# Altium PCB 1-quilter-input.PcbDoc (part 1 of 4) (continued)
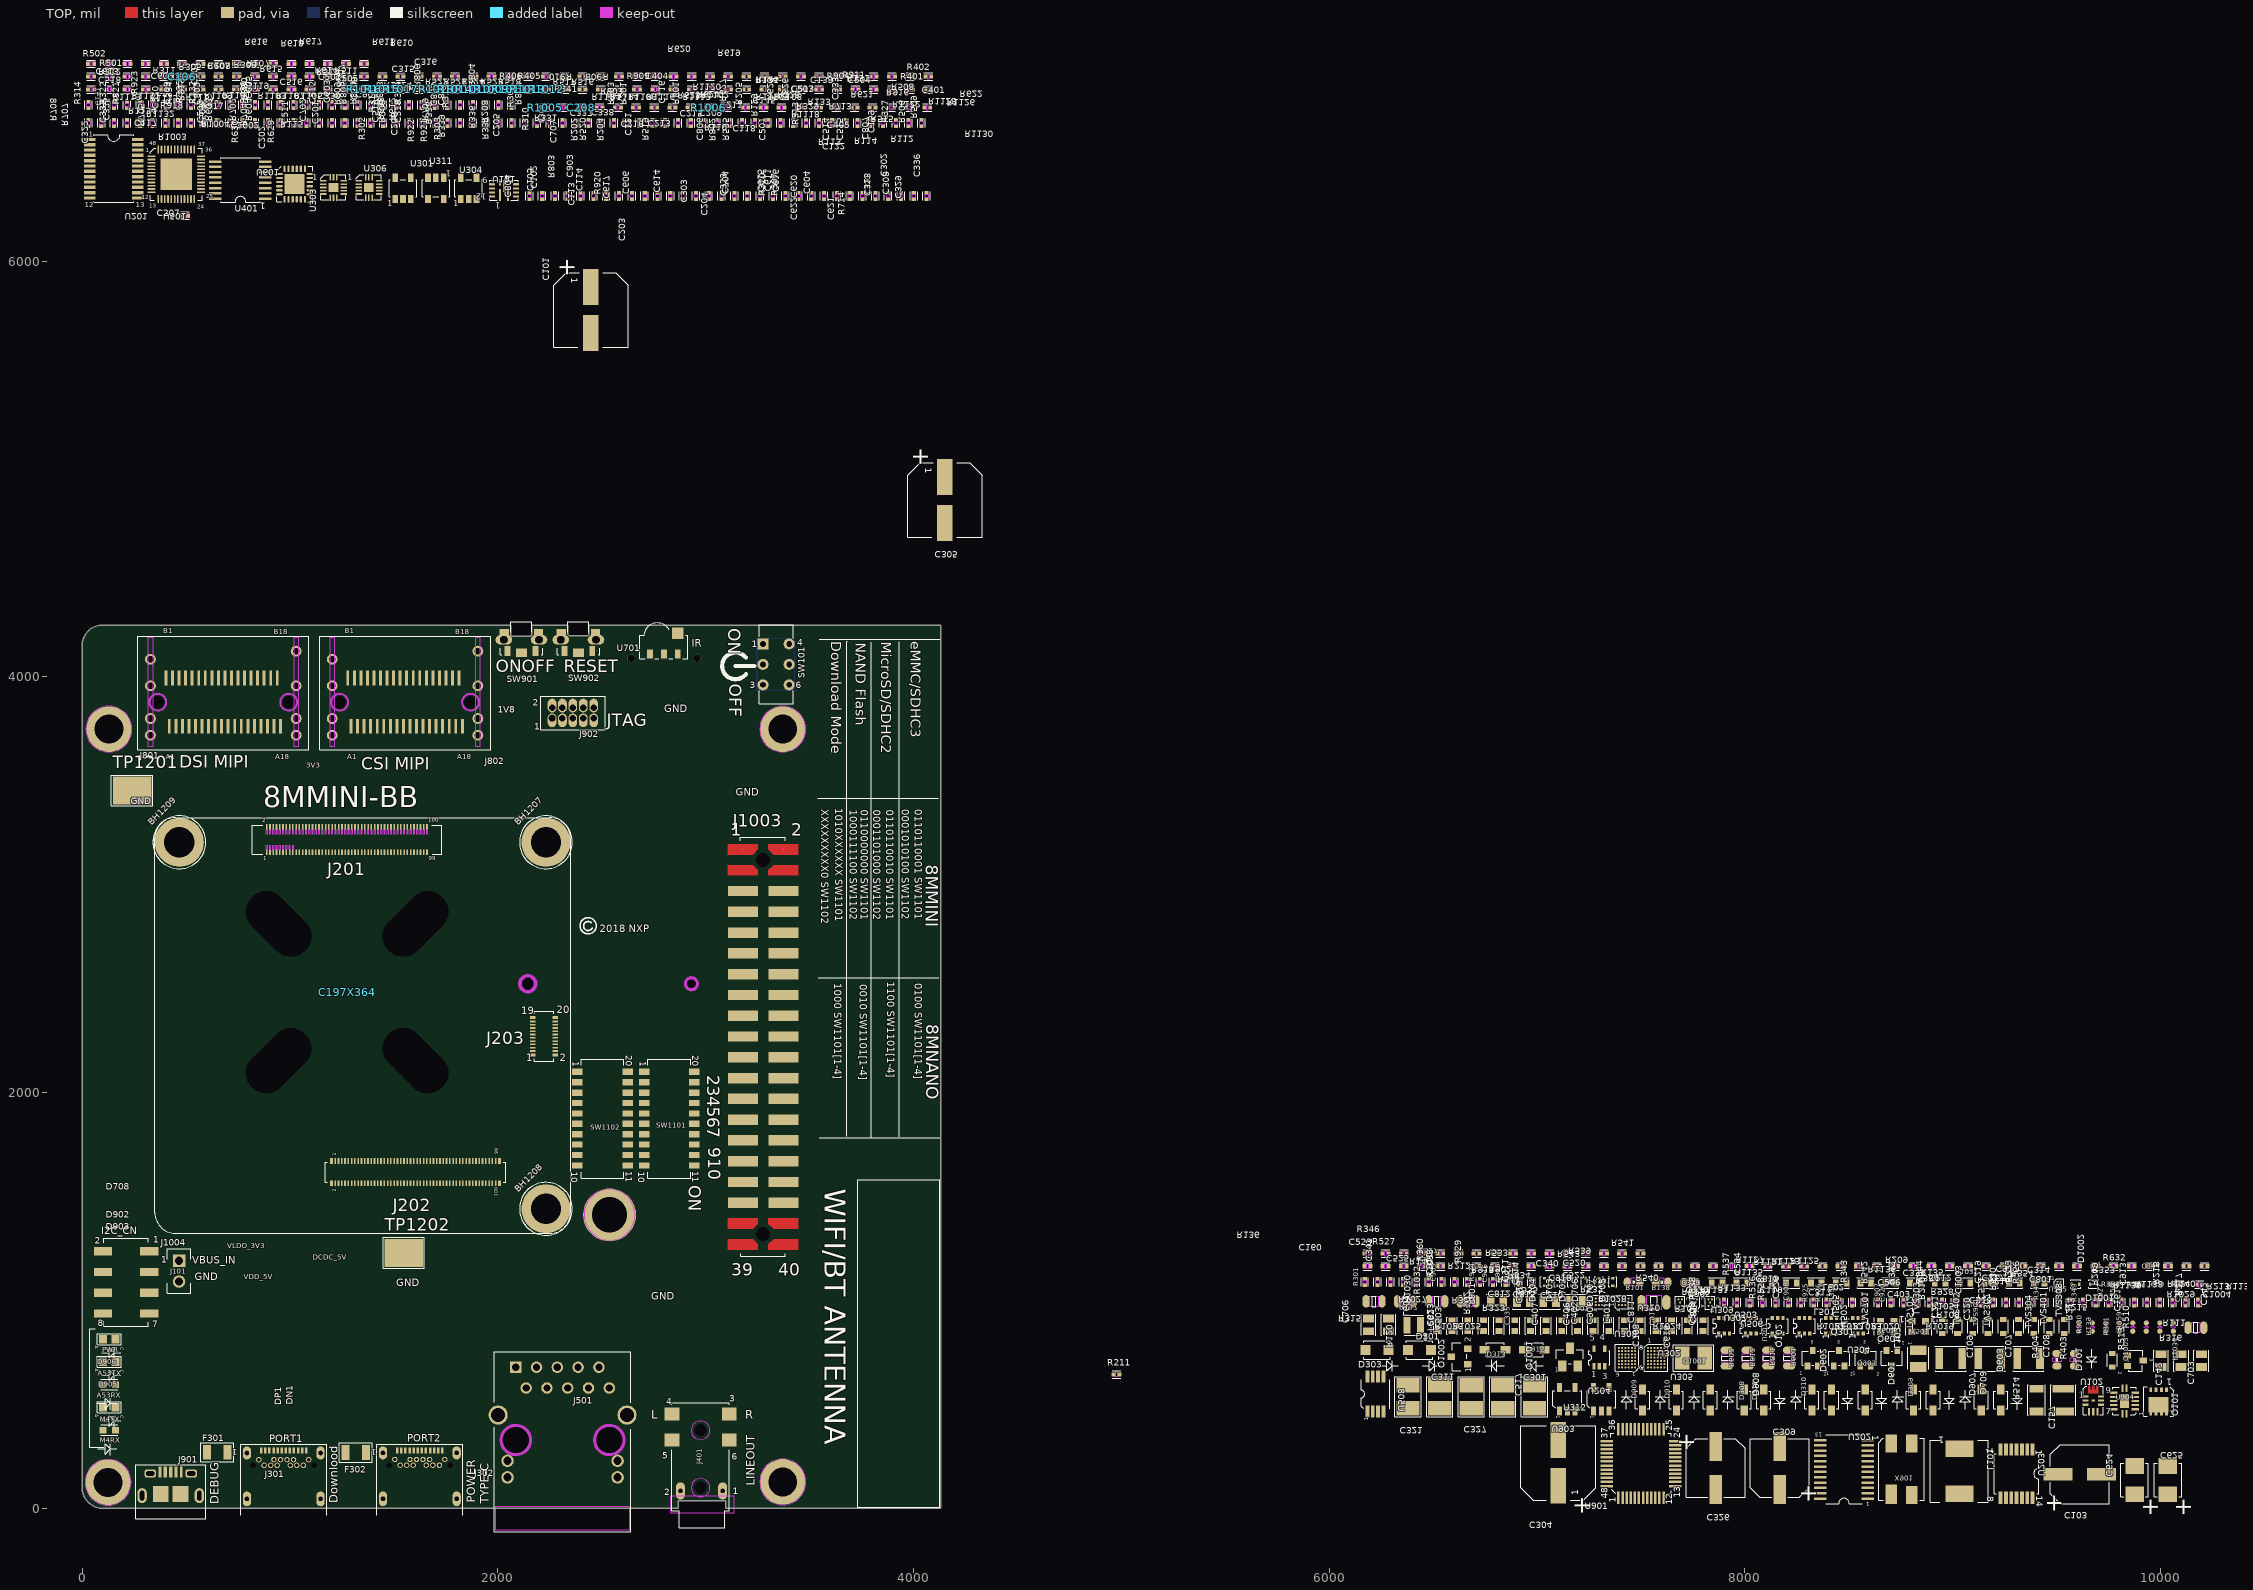
[diagram p0: TOP view]
## Components (designator, comment, footprint, x,y, rotation, side; value= is the part's Value field where it differs from the comment)
BH1201 ".635\" LONG" SPACER_139T 129,3747.79 r180 bottom locked
BH1202 ".635\" LONG" SPACER_139T 3370.63,3747.79 r180 bottom locked
BH1203 ".635\" LONG" SPACER_139T 124.63,123.79 r180 bottom locked
BH1204 ".635\" LONG" SPACER_139T 3370.63,125.79 r180 bottom locked
BH1206 "SMTSO-M25" MH244-166T 2537.63,1410.64 r180 bottom locked
BH1207 "STANDOFF M2.5" STANDOFF_CIRCLE_5P1-2P5MM_NSP 2231.58,3203.52 r45 top locked
BH1208 "STANDOFF M2.5" STANDOFF_CIRCLE_5P1-2P5MM_NSP 2231.58,1439.74 r45 top locked
BH1209 "STANDOFF M2.5" STANDOFF_CIRCLE_5P1-2P5MM_NSP 467.8,3203.52 r45 top locked
C101 "100uF" CCE8P3X8P3 2448,5763.5 r270 top
C102 "0.22uF" 0402_CC 2336.7,6312.57 r270 top
C103 "47UF" CASE_D_AL 9611.4,162.79 r0 top
C105 "0.1uF" 0402_CC 2213.38,6312.57 r90 top
C106 "0.1uF" 0402_CC 481.21,6887.42 r0 top
C107 "100UF" 1210_CC 9178.1,718.95 r180 top
C108 "100UF" 1210_CC 9365.34,718.95 r180 top
C109 "100UF" 1210_CC 8990.86,718.95 r180 top
C113 "0.22uF" 0402_CC 2521.68,6312.57 r90 top
C114 "1uF" 0402_CC 2460.02,6312.57 r270 top
C116 "0.1uF" 0402_CC 2805.16,6663.59 r90 top
C117 "0.1uF" 0402_CC 218.53,6825.76 r180 top
C118 "1000pF" 0402_CC 3108.01,6825.76 r0 top
C119 "22uF" 0603_CC 8224.29,1082.47 r180 top
C120 "22uF" 0603_CC 7866.63,1082.47 r180 top
C121 "0.1uF" 0402_CC 2681.84,6663.59 r270 top
C122 "1000pF" 0402_CC 3540.81,6738.2 r180 top
C138 "0.22uF" 0402_CC 3458.25,6887.42 r180 top
C141 "1uF" 0402_CC 92.12,6751.15 r270 top
C142 "10uF" 0805_CC 10002.39,709.1 r90 top
C145 "0.1uF" 0402_CC 3283.13,6887.42 r0 top
C157 "100UF" 1210_CC 9531.74,519.41 r90 top
C159 "0.01UF" 0402_CC 3853.38,6663.59 r90 top
C160 "220PF" 0402_CC 6884.44,1163.14 r0 top
C161 "0.22uF" 0402_CC 9934.95,988.53 r90 top
C197X364 "" C197X364 945.39,2810.67 r45 top locked
C201 "1uF" 0402_CC 1140.34,6751.15 r90 top
C202 "1uF" 0402_CC 832.04,6751.15 r270 top
C203 "0.01UF" 0402_CC 2645,6312.57 r270 top
C204 "0.01UF" 0402_CC 3014.96,6312.57 r90 top
C205 "1uF" 0402_CC 2003.58,6751.15 r270 top
C206 "0.01UF" 0402_CC 1510.3,6751.15 r270 top
C207 "1uF" 0402_CC 494.85,6218.2 r0 top
C208 "0.01UF" 0402_CC 2402.53,6738.2 r180 top
C209 "0.1uF" 0402_CC 2927.89,6738.2 r180 top
C210 "22uF" 0805_CC 7060.73,993.3 r180 top
C211 "0.1uF" 0402_CC 3103.01,6738.2 r0 top
C212 "22uF" 0603_CC 8939.61,1082.47 r180 top
C213 "0.1uF" 0402_CC 2752.77,6738.2 r0 top
C214 "22uF" 0603_CC 9297.27,1082.47 r0 top
C215 "0.1uF" 0402_CC 2840.33,6738.2 r0 top
C216 "0.1uF" 0402_CC 2665.21,6738.2 r180 top
C217 "22uF" 0603_CC 9178.05,1082.47 r0 top
C218 "22uF" 0603_CC 9058.83,1082.47 r0 top
C219 "0.1uF" 0402_CC 9133.37,988.53 r90 top
C220 "0.1uF" 0402_CC 9071.71,988.53 r270 top
C221 "0.1uF" 0402_CC 8948.39,988.53 r270 top
C301 "4.7uF" CC1210 6987.7,535.79 r90 top
C302 "0.1uF" 0402_CC 3878.2,6312.57 r90 top
C303 "0.01UF" 0402_CC 2953.3,6312.57 r90 top
C304 "100uF" CCE8P3X8P3 7102.33,217.79 r90 top
C305 "100uF" CCE8P3X8P3 4151,4851 r270 top
C308 "0.1uF" 0402_CC 3939.86,6312.57 r270 top
C309 "47UF" CASE_D_AL 8167.76,192.79 r90 top
C311 "47UF" CC1210 6531.7,535.79 r90 top
C313 "0.1uF" 0402_CC 3754.88,6312.57 r90 top
C314 "0.1uF" 0402_CC 9161,1163.14 r0 top
C315 "0.01UF" 0402_CC 1531.93,6887.42 r180 top
C316 "1000pF" 0402_CC 1444.37,6887.42 r180 top
C317 "4.7uF" 0603_CC 8462.73,1082.47 r180 top
C318 "2.2uF" 0402_CC 1571.96,6663.59 r90 top
C319 "4.7uF" 0603_CC 6968.25,877.74 r90 top
C320 "0.1uF" 0402_CC 3816.54,6312.57 r270 top
C321 "4.7uF" CC1210 6379.7,535.79 r270 top
C322 "0.1uF" 0402_CC 30.46,6663.59 r90 top
C323 "0.01UF" 0402_CC 3138.28,6312.57 r90 top
C325 "0.1uF" 0402_CC 92.12,6663.59 r90 top
C326 "47UF" CASE_D_AL 7859.76,192.79 r270 top
C327 "47UF" CC1210 6683.7,535.79 r270 top
C329 "0.1uF" 0402_CC 4001.52,6312.57 r270 top
C330 "0.01UF" 0402_CC 1181.69,6887.42 r0 top
C331 "0.1uF" 0402_CC 8898.32,1163.14 r0 top
C332 "2.2uF" 0402_CC 153.78,6663.59 r90 top
C333 "1000pF" 0402_CC 3730.06,6663.59 r90 top
C334 "4.7uF" 0603_CC 8820.39,1082.47 r0 top
C335 "4.7uF" 0603_CC 6892.81,877.74 r90 top
C336 "0.1uF" 0402_CC 4063.18,6312.57 r270 top
C337 "0.1uF" 0402_CC 2490.09,6738.2 r180 top
C338 "0.1uF" 0402_CC 2577.65,6738.2 r180 top
C339 "1uF" CC0603_OV 7737.02,1084.75 r0 top
C340 "2.2uF" 0402_CC 7059.56,1224.8 r180 top
C341 "18PF" 0402_CC 6232.67,1088.53 r270 top
C342 "0.1uF" 0402_CC 10181.59,988.53 r270 top
C343 "0.1uF" 0402_CC 10119.93,988.53 r90 top
C344 "0.1uF" 0402_CC 9949.04,1163.14 r0 top
C401 "1uF" 0402_CC 3983.61,6825.76 r0 top
C402 "4.7uF" 0603_CC 7119.13,877.74 r90 top
C403 "4.7uF" 0603_CC 8701.17,1082.47 r180 top
C404 "2.2uF" 0402_CC 2757.77,6887.42 r0 top
C405 "1uF" 0402_CC 3545.08,6663.59 r270 top
C406 "2700pF" 0603_CC 7194.57,877.74 r270 top
C407 "2700pF" 0603_CC 7043.69,877.74 r90 top
C501 "1uF" 0402_CC 3360.1,6663.59 r270 top
C502 "1uF" 0402_CC 1094.13,6887.42 r180 top
C503 "0.22uF" 0402_CC 647.06,6751.15 r270 top
C504 "0.22uF" 0402_CC 3720.93,6825.76 r0 top
C505 "1uF" 0402_CC 1269.25,6887.42 r0 top
C506 "10uF" 0603_CC 8581.95,1082.47 r180 top
C507 "0.22uF" 0402_CC 3458.25,6825.76 r180 top
C508 "10uF" 0603_CC 7798.09,877.74 r90 top
C509 "0.22uF" 0402_CC 462.08,6751.15 r270 top
C510 "0.22uF" 0402_CC 400.42,6751.15 r270 top
C511 "0.22uF" 0402_CC 1017.02,6751.15 r270 top
C512 "0.22uF" 0402_CC 1202,6751.15 r270 top
C513 "0.22uF" 0402_CC 3370.69,6825.76 r180 top
C514 "470PF" 0402_CC 3606.74,6663.59 r270 top
C515 "470PF" 0402_CC 3668.4,6663.59 r270 top
C516 "470PF" 0402_CC 919.01,6887.42 r0 top
C517 "1000pF" CC1210 6835.7,535.79 r90 top
C518 "22PF" 0402_CC 43.41,6887.42 r180 top
C519 "22PF" 0402_CC 1510.3,6663.59 r90 top
C520 "0.22uF" 0402_CC 7147.12,1163.14 r180 top
C521 "0.22uF" 0402_CC 9195.03,988.53 r270 top
C522 "0.22uF" 0402_CC 7059.56,1163.14 r180 top
C523 "0.22uF" 0402_CC 6271.52,1224.8 r180 top
C524 "0.22uF" 0402_CC 8023.49,988.53 r90 top
C525 "0.22uF" 0402_CC 6183.96,1224.8 r180 top
C526 "0.22uF" 0402_CC 8208.47,988.53 r90 top
C527 "0.22uF" 0402_CC 6446.64,1224.8 r180 top
C603 "1uF" 0402_CC 770.38,6751.15 r270 top
C604 "0.01UF" 0402_CC 3076.62,6312.57 r270 top
C605 "1uF" 0402_CC 955.36,6751.15 r90 top
C606 "0.01UF" 0402_CC 2768.32,6312.57 r90 top
C607 "0.01UF" 0402_CC 656.33,6887.42 r0 top
C608 "1uF" 0402_CC 893.7,6751.15 r270 top
C609 "0.01UF" 0402_CC 393.65,6887.42 r0 top
C611 "0.01UF" 0402_CC 2891.64,6312.57 r270 top
C613 "18PF" 0402_CC 130.97,6887.42 r180 top
C614 "18PF" 0402_CC 2829.98,6312.57 r90 top
C615 "0.1uF" 0402_CC 3199.94,6312.57 r270 top
C616 "0.1uF" 0402_CC 3261.6,6312.57 r270 top
C617 "0.1uF" 0402_CC 2706.66,6312.57 r270 top
C618 "10uF" 0603_CC 7647.21,877.74 r270 top
C620 "0.1uF" 0402_CC 3569.9,6312.57 r270 top
C621 "0.1uF" 0402_CC 3631.56,6312.57 r270 top
C622 "0.1uF" 0402_CC 3446.58,6312.57 r270 top
C623 "10uF" 0603_CC 6666.49,877.74 r270 top
C624 "220uF" CC3528-21 9875.4,134.79 r90 top
C625 "220uF" CC3528-21 10035.4,134.79 r90 top
C702 "1uF" 0402_CC 1078.68,6751.15 r270 top
C703 "47uF" 0805_CC 10196.59,709.1 r90 top
C704 "0.1uF" 0402_CC 3508.24,6312.57 r270 top
C706 "47uF" 0805_CC 6188.73,881.44 r270 top
C707 "0.1uF" 0402_CC 2311.88,6663.59 r90 top
C708 "22uF" 0603_CC 7496.33,877.74 r90 top
C801 "22uF" 0603_CC 9416.49,1082.47 r0 top
C802 "0.1uF" 0402_CC 523.74,6751.15 r270 top
C803 "0.1uF" 0402_CC 1818.6,6751.15 r270 top
C804 "0.1uF" 0402_CC 2151.72,6312.57 r90 top
C805 "0.1uF" 0402_CC 1695.28,6751.15 r270 top
C806 "0.1uF" 0402_CC 2990.14,6663.59 r270 top
C807 "0.1uF" 0402_CC 3791.72,6663.59 r90 top
C811 "22uF" 0603_CC 7420.89,877.74 r90 top
C812 "22uF" 0805_CC 6807.49,993.3 r0 top
C813 "22uF" 0603_CC 8105.07,1082.47 r180 top
C814 "22uF" 0603_CC 7722.65,877.74 r90 top
C815 "22uF" 0805_CC 6934.11,993.3 r0 top
C901 "1uF" 0402_CC 585.4,6751.15 r270 top
C902 "0.1uF" 0402_CC 568.77,6887.42 r180 top
C903 "0.1uF" 0402_CC 2398.36,6312.57 r270 top
C905 "1uF" 0402_CC 1356.81,6887.42 r0 top
C906 "10uF" 0603_CC 7345.45,877.74 r270 top
C907 "27 PF" 0402_CC 8640.09,988.53 r90 top
C908 "27 PF" 0402_CC 8270.13,988.53 r270 top
C909 "0.1uF" 0402_CC 6540.97,1088.53 r90 top
C910 "0.1uF" 0402_CC 6602.63,1088.53 r270 top
C911 "0.1uF" 0402_CC 6910.93,1088.53 r90 top
C912 "10uF" 0603_CC 7571.77,877.74 r270 top
C913 "0.1uF" 0402_CC 9873.29,988.53 r90 top
C914 "0.1uF" 0402_CC 6972.59,1088.53 r90 top
C915 "0.1uF" 0402_CC 6849.27,1088.53 r270 top
C916 "0.1uF" 0402_CC 6787.61,1088.53 r270 top
C917 "0.22uF" 0402_CC 9336.12,1163.14 r0 top
C918 "1uF" 0402_CC 7147.12,1224.8 r180 top
C920 "0.033uF" 0402_CC 8701.75,988.53 r90 top
C1001 "10UF" CC1210 7753.02,721.79 r180 top
C1002 "0.1uF" 0402_CC 743.89,6887.42 r0 top
C1003 "0.1uF" 0402_CC 9010.05,988.53 r90 top
C1004 "0.22uF" 0402_CC 10211.72,1163.14 r180 top
D101 "BZX585-B2V4" SOD523 9766.96,711.25 r90 top
D301 "PTVS20VS1UR" SOD123W 6434.42,760.73 r180 top
D303 "PTVS20VS1UR" SOD123W 6229.3,760.73 r180 top
D308 "NSR0320" SOD323 7996.7,519.79 r180 top
D309 "NSR0320" SOD323 8811.7,519.79 r180 top
D310 "NSR0320" SOD323 8322.7,519.79 r180 top
D311 "NSR0320" SOD323 8090.7,519.79 r0 top
D312 "NSR0320" SOD323 6986.42,761.79 r270 top
D313 "NSR0320" SOD323 6798.42,761.79 r270 top
D601 "NSR0320" SOD323 8579.7,519.79 r0 top
D602 "NSR0320" SOD323 8416.7,519.79 r0 top
D603 "NSR0320" SOD323 9231.7,519.79 r0 top
D702 "ESD9L5.0ST5G" SOD-923 7167.42,1088.49 r270 top
D703 "ESD9L5.0ST5G" SOD-923 7101.82,1088.49 r270 top
D704 "ESD9L5.0ST5G" SOD-923 7036.22,1088.49 r270 top
D705 "ESD9L5.0ST5G" SOD-923 7364.22,1088.49 r270 top
D706 "ESD9L5.0ST5G" SOD-923 7233.02,1088.49 r270 top
D707 "ESD9L5.0ST5G" SOD-923 7298.62,1088.49 r270 top
D708 "LED RED" LED_0603 130.11,812.85 r0 top locked
D709 "NSR0320" SOD323 9137.7,519.79 r180 top
D902 "LED GREEN" LED_0603 130.11,484.53 r0 top locked
D903 "LED_ORANGE" LED_0603_11MIL 130.11,375.09 r0 top locked
D905 "LED_ORANGE" LED_0603_11MIL 130.11,593.97 r0 top locked
D906 "LED GREEN" LED_0603 130.11,703.41 r0 top locked
D907 "NSR0320" SOD323 8905.7,519.79 r0 top
D908 "NSR0320" SOD323 7833.7,519.79 r180 top
D909 "NSR0320" SOD323 7507.7,519.79 r180 top
D910 "NSR0320" SOD323 7670.7,519.79 r180 top
D1001 "ESD9L5.0ST5G" SOD-923 9591.34,1077.55 r180 top
D1002 "ESD9L5.0ST5G" SOD-923 9678.82,1077.55 r180 top
F301 "7A" FUSE_3P4X1P8 649.63,268.79 r180 top locked
F302 "7A" FUSE_3P4X1P8 1316.25,267.54 r180 top locked
J101 "HDR 1X2 TH" HDR102 466.26,1189.82 r0 top locked
J201 "DF40C-100DS-0.4V(51)" CON100_0P4_22P8X3P1_SM 1273.63,3215.79 r0 top locked
J202 "DF40C-100DP-0.4V(51)" CON100_0P4_21P7X2P05_SM 1603.63,1615.79 r180 top locked
J203 "DF40C-20DP-0.4V(51)" CON20_0P4_5P7X2P05_SM 2222.59,2270.27 r270 top locked
J301 "23K20101#LCP-582RF" CON24_USB_TYPEC_RA_SMT_TH 1090.01,233.04 r0 top locked
J302 "23K20101#LCP-582RF" CON24_USB_TYPEC_RA_SMT_TH 1744.63,233.79 r0 top locked
J401 "KJ366EYS" CON6_AUDIOJACK_RA_TH 3081.63,82.47 r90 top locked
J501 "HR851178C" CON_RJ45_10F_100_TH_RA 2086.26,677.44 r180 top locked
J601 "CON_MINI CARD_RA" CON_75_0P5_22X9_RA 2537.63,2588.79 r180 bottom locked
J701 "CONN_SD_CARD 9" CON9_SDCARD_1P1MM 2836.46,3950.87 r180 bottom locked
J801 "IPASS MINISAS" CON_36_0P8_TH 679.06,3877.36 r0 top locked
J802 "IPASS MINISAS" CON_36_0P8_TH 1553.63,3877.36 r0 top locked
J901 "MICRO_USB_TYPEB" CON_USB_TYPE_B_SM 426.13,67.71 r0 top locked
J902 "HDR 2X5" CON_2RH_10_50 2260.96,3800.67 r0 top locked
J1001 "XF2M-6015-1AH" CON_FPC_60F_0P5_SM_RA 3269.63,1168.79 r270 bottom locked
J1003 "TSM-120-01-F-DV-A" HDR220_TSM_A_SM 3276.63,2218.79 r0 top locked
J1004 "SSM-104-L-DV" CON_2X4_SKT_100_SM 211.63,1085.79 r0 top locked
L101 "1.5uH" IND_IHLP 9031.9,176.29 r270 top
L102 "0.47uH" IND_SPH2520 8834.25,719.54 r270 top
L401 "120 OHM" 0603_CC 7270.01,877.74 r90 top
L501 "120 OHM" 0603_CC 8343.51,1082.47 r0 top
L502 "4.7uH" IND_VLS252010 6406.06,880.04 r180 top
L503 "120 OHM" 0603_CC 6591.05,877.74 r90 top
L601 "120 OHM" 0603_CC 6515.61,877.74 r90 top
L602 "120 OHM" 0603_CC 7985.85,1082.47 r180 top
L901 "120 OHM" 0603_CC 6741.93,877.74 r90 top
Q101 "AON7405" DFN3P3X3P3_8L_EX 9991.24,512.72 r270 top
Q102 "NX3008NBKW,115" SC70_3 8326.52,720.76 r0 top
Q301 "NX3008NBKW,115" SC70_3 8453.52,720.76 r0 top
Q604 "NX3008NBKW,115" SC70_3 8707.52,720.76 r180 top
Q903 "NX3008NBKW,115" SC70_3 8580.52,720.76 r0 top
Q1001 "SI2343DS" SOT-23 7158.42,726.66 r0 top
Q1002 "2N7002" SOT23_A 6627.42,728.79 r90 top
Q1003 "NX3008NBKW,115" SC70_3 9878.87,709.29 r270 top
R101 "1.4M" RC0603_OV 7464.52,1087.25 r180 top
R102 "3.3" 0603_CC 6817.37,877.74 r90 top
R103 "0" RC1206_OV 7562.5,989.75 r180 top
R105 "43K" RC0402_25 9996.67,870.63 r270 top
R107 "100K" 0402_CC 1006.57,6887.42 r0 top
R108 "100K" 0402_CC 831.45,6887.42 r180 top
R109 "5.6K" RC0402_25 10061.67,870.63 r90 top
R110 "187K" 0402_CC 3020.45,6825.76 r0 top
R111 "41.2K" RC0402_25 9985.06,1077.25 r180 top
R112 "100K" 0402_CC 3803.49,6738.2 r180 top
R113 "10K" 0402_CC 3453.25,6738.2 r180 top
R114 "1K" 0402_CC 3628.37,6738.2 r180 top
R115 "100K" 0402_CC 919.01,6825.76 r180 top
R120 "0" 0805_CC 6285.83,881.44 r270 top
R125 "22K" 0402_CC 3195.57,6887.42 r180 top
R129 "4.7K" 0402_CC 3421.76,6663.59 r90 top
R131 "1K" 0402_CC 3808.49,6887.42 r0 top
R133 "100K" 0402_CC 3545.81,6887.42 r0 top
R134 "22K" 0402_CC 3370.69,6887.42 r0 top
R135 "499K" 0402_CC 8810.76,1163.14 r0 top
R136 "499" 0402_CC 6621.76,1224.8 r180 top
R137 "1.5M" RC0805_OV 6366.68,994.75 r180 top
R138 "1.2M" RC0603_OV 7599.52,1087.25 r180 top
R139 "118K" RC0402_25 9671.67,870.63 r270 top
R140 "0" 0402_CC 6534.2,1224.8 r0 top
R201 "10K" 0402_CC 2620.18,6663.59 r270 top
R202 "10K" 0402_CC 2373.54,6663.59 r90 top
R203 "10K" 0402_CC 2558.52,6663.59 r270 top
R204 "10K" 0402_CC 2496.86,6663.59 r90 top
R205 "10K" 0402_CC 3175.12,6663.59 r270 top
R206 "10K" 0402_CC 1448.64,6751.15 r90 top
R207 "10K" 0402_CC 1263.66,6751.15 r270 top
R208 "10K" 0402_CC 1941.92,6751.15 r90 top
R209 "10K" 0402_CC 8635.64,1163.14 r180 top
R210 "0" 0402_CC 8825.07,988.53 r90 top
R211 "0" 0402_CC 4976.76,643.14 r180 top
R212 "0" 0402_CC 6534.2,1163.14 r180 top
R213 "0" 0402_CC 10186.34,1075.58 r180 top
R214 "10K" 0402_CC 9564.99,988.53 r90 top
R215 "100K" 0402_CC 9503.33,988.53 r90 top
R216 "0" 0402_CC 9248.56,1163.14 r0 top
R217 "0" 0402_CC 10058.27,988.53 r270 top
R218 "0" 0402_CC 9996.61,988.53 r90 top
R219 "0" 0402_CC 9688.31,988.53 r90 top
R301 "47K" 0402_CC 6171.01,1088.53 r90 top
R302 "0" 0402_CC 1386.98,6663.59 r90 top
R303 "0" 0402_CC 1756.94,6663.59 r90 top
R304 "1.2M" 0402_CC 1571.96,6751.15 r90 top
R305 "0" 0402_CC 306.09,6949.08 r180 top
R306 "1M" 0402_CC 2065.24,6751.15 r90 top
R307 "1K" 0402_CC 3384.92,6312.57 r270 top
R308 "0" 0402_CC 568.77,6949.08 r180 top
R309 "0" 0402_CC 2250.22,6663.59 r90 top
R310 "0" 0402_CC 2188.56,6663.59 r90 top
R311 "0" 0402_CC 481.21,6949.08 r0 top
R312 "0" 0402_CC 218.53,6949.08 r0 top
R313 "249K" 0402_CC 3483.42,6663.59 r90 top
R314 "249K" 0402_CC 30.46,6751.15 r270 top
R315 "0" RC0805_OV 6215.68,994.75 r180 top
R316 "0" RC0805_OV 10169.67,868.13 r180 top
R318 "1.2M" 0402_CC 1386.98,6751.15 r90 top
R319 "1M" 0402_CC 1756.94,6751.15 r90 top
R320 "1K" 0402_CC 3323.26,6312.57 r270 top
R321 "249K" 0402_CC 215.44,6751.15 r90 top
R322 "249K" 0402_CC 153.78,6751.15 r270 top
R323 "0" RC0805_OV 6668.68,994.75 r0 top
R325 "0" RC0805_OV 6517.68,994.75 r0 top
R327 "10K" 0402_CC 3915.04,6663.59 r90 top
R328 "100K" 0402_CC 3190.57,6738.2 r0 top
R329 "100K" 0402_CC 3278.13,6738.2 r180 top
R330 "100K" 0402_CC 893.7,6663.59 r270 top
R331 "100K" 0402_CC 2314.97,6738.2 r0 top
R332 "0" 0402_CC 585.4,6663.59 r90 top
R333 "1M" 0402_CC 9318.35,988.53 r270 top
R334 "0" 0402_CC 462.08,6663.59 r90 top
R335 "0" 0402_CC 523.74,6663.59 r90 top
R336 "0" 0402_CC 1941.92,6663.59 r90 top
R337 "0" 0402_CC 2003.58,6663.59 r90 top
R338 "0" 0402_CC 1818.6,6663.59 r90 top
R339 "0" 0402_CC 1880.26,6663.59 r90 top
R340 "0" 0402_CC 1619.49,6825.76 r0 top
R341 "0" 0402_CC 2319.97,6825.76 r0 top
R342 "10K" 0402_CC 8763.41,988.53 r90 top
R343 "1K" 0402_CC 8516.77,988.53 r90 top
R344 "10K" 0402_CC 8886.73,988.53 r270 top
R345 "10K" 0402_CC 9441.67,988.53 r270 top
R346 "10K" 0402_CC 6183.96,1163.14 r0 top
R349 "0" 0402_CC 9626.65,988.53 r90 top
R350 "0" 0402_CC 9811.63,988.53 r90 top
R353 "0" 0402_CC 9511.24,1163.14 r180 top
R354 "0" 0402_CC 9423.68,1163.14 r0 top
R355 "100K" 0402_CC 8455.11,988.53 r270 top
R356 "174K" RC0402_25 10090.06,1077.25 r0 top
R357 "24.9K" RC0402_25 9880.06,1077.25 r0 top
R358 "120K" RC0402_25 9775.06,1077.25 r180 top
R359 "24.9K" RC0402_25 9801.67,870.63 r90 top
R360 "1K" 0402_CC 6479.31,1088.53 r90 top
R361 "47K" RC0402_25 9736.67,870.63 r90 top
R401 "0" 0402_CC 4071.17,6887.42 r180 top
R402 "0" 0402_CC 3983.61,6887.42 r0 top
R403 "510" RC0603_OV 9586.46,713.29 r270 top
R404 "510" RC0603_OV 9501.46,713.29 r270 top
R405 "10K" 0402_CC 2144.85,6887.42 r180 top
R406 "10K" 0402_CC 2057.29,6887.42 r180 top
R501 "0" 0402_CC 130.97,6949.08 r0 top
R502 "0" 0402_CC 43.41,6949.08 r180 top
R503 "0" 0402_CC 647.06,6663.59 r270 top
R506 "10K" 0402_CC 4038.36,6663.59 r90 top
R508 "1.5K" 0402_CC 3896.05,6825.76 r0 top
R509 "10K" 0402_CC 3976.7,6663.59 r270 top
R510 "270" RC0402_25 9931.67,870.63 r270 top
R511 "0" 0402_CC 1181.69,6949.08 r0 top
R512 "0" 0402_CC 1094.13,6949.08 r0 top
R513 "270" RC0402_25 9866.67,870.63 r270 top
R514 "1M" 1206_CC 9403.14,519.41 r270 top
R515 "2.37K" 0402_CC 3808.49,6825.76 r180 top
R516 "10K" 0402_CC 2319.97,6887.42 r0 top
R517 "10K" 0402_CC 2232.41,6887.42 r0 top
R518 "10K" 0402_CC 1969.73,6887.42 r0 top
R519 "10K" 0402_CC 2743.5,6663.59 r270 top
R520 "10K" 0402_CC 2435.2,6663.59 r270 top
R521 "10K" 0402_CC 1707.05,6887.42 r0 top
R522 "10K" 0402_CC 1619.49,6887.42 r0 top
R523 "10K" 0402_CC 1882.17,6887.42 r0 top
R524 "10K" 0402_CC 1794.61,6887.42 r0 top
R525 "10K" 0402_CC 3113.46,6663.59 r270 top
R526 "10K" 0402_CC 9380.01,988.53 r270 top
R527 "1.5K" 0402_CC 6271.52,1163.14 r0 top
R528 "1.5K" 0402_CC 8085.15,988.53 r270 top
R530 "0" 0402_CC 9256.69,988.53 r270 top
R531 "0" 0402_CC 7322.24,1163.14 r0 top
R532 "0" 0402_CC 7234.68,1163.14 r180 top
R533 "0" 0402_CC 6796.88,1163.14 r180 top
R534 "0" 0402_CC 6709.32,1163.14 r0 top
R535 "0" 0402_CC 6972,1163.14 r180 top
R536 "0" 0402_CC 8146.81,988.53 r270 top
R537 "0" 0402_CC 7961.83,988.53 r90 top
R538 "0" 0402_CC 7900.17,988.53 r90 top
R539 "0" 0402_CC 7234.68,1224.8 r0 top
R540 "0" 0402_CC 7497.36,1224.8 r180 top
R541 "0" 0402_CC 7409.8,1224.8 r180 top
R542 "0" 0402_CC 8578.43,988.53 r90 top
R543 "0" 0402_CC 6972,1224.8 r0 top
R544 "0" 0402_CC 6884.44,1224.8 r180 top
R601 "0" RC0805_OV 8213.02,721.29 r270 top
R602 "0" RC0805_OV 7913.02,721.29 r90 top
R603 "0" 0402_CC 215.44,6663.59 r90 top
R604 "0" 0402_CC 400.42,6663.59 r90 top
R610 "0" 0402_CC 1356.81,6949.08 r0 top
R611 "0" 0402_CC 1269.25,6949.08 r0 top
R612 "0" 0402_CC 1078.68,6663.59 r90 top
R613 "0" 0402_CC 1017.02,6663.59 r90 top
R614 "0" 0402_CC 1006.57,6949.08 r0 top
R615 "0" 0402_CC 743.89,6949.08 r0 top
R616 "0" 0402_CC 656.33,6949.08 r0 top
R617 "0" 0402_CC 919.01,6949.08 r0 top
R618 "0" 0402_CC 831.45,6949.08 r180 top
R619 "0" 0402_CC 2932.89,6887.42 r180 top
R620 "0" 0402_CC 2845.33,6887.42 r0 top
R621 "49.9" 0402_CC 3545.81,6825.76 r0 top
R622 "49.9" 0402_CC 4071.17,6825.76 r0 top
R623 "10K" 0402_CC 3298.44,6663.59 r90 top
R624 "0" 0402_CC 3108.01,6887.42 r0 top
R625 "0" 0402_CC 3020.45,6887.42 r0 top
R626 "10K" 0402_CC 3236.78,6663.59 r270 top
R627 "10K" 0402_CC 2928.48,6663.59 r270 top
R629 "0" 0402_CC 955.36,6663.59 r90 top
R630 "0" 0402_CC 770.38,6663.59 r90 top
R631 "0" 0402_CC 832.04,6663.59 r90 top
R632 "0" 0402_CC 9773.92,1163.14 r0 top
R702 "0" 0402_CC 1140.34,6663.59 r90 top
R704 "0" 0402_CC 1202,6663.59 r90 top
R705 "0" 0402_CC 708.72,6663.59 r90 top
R707 "0" 0402_CC 338.76,6663.59 r90 top
R708 "0" 0402_CC 277.1,6663.59 r90 top
R709 "0" 0402_CC 2065.24,6663.59 r90 top
R713 "1K" 0402_CC 3633.37,6825.76 r0 top
R714 "47" 0402_CC 3693.22,6312.57 r90 top
R801 "10K" 0402_CC 2866.82,6663.59 r270 top
R802 "10K" 0402_CC 3051.8,6663.59 r90 top
R803 "10K" 0402_CC 2275.04,6312.57 r270 top
R804 "10K" 0402_CC 1880.26,6751.15 r270 top
R805 "10K" 0402_CC 1325.32,6751.15 r90 top
R806 "10K" 0402_CC 1633.62,6751.15 r270 top
R807 "0" 0402_CC 2126.9,6663.59 r270 top
R808 "0" 0402_CC 1448.64,6663.59 r270 top
R809 "0" 0402_CC 1263.66,6663.59 r270 top
R810 "0" 0402_CC 1325.32,6663.59 r270 top
R811 "0" RC0805_OV 8113.02,721.29 r90 top
R812 "0" RC0805_OV 8013.02,721.29 r90 top
R902 "1K" 0402_CC 6796.88,1224.8 r180 top
R903 "1K" 0402_CC 2495.09,6887.42 r180 top
R904 "470" 0402_CC 3633.37,6887.42 r0 top
R908 "0" 0402_CC 2582.65,6887.42 r0 top
R909 "0" 0402_CC 2670.21,6887.42 r0 top
R910 "0" 0402_CC 2407.53,6887.42 r0 top
R911 "0" 0402_CC 3720.93,6887.42 r0 top
R915 "1K" 0402_CC 6709.32,1224.8 r180 top
R916 "1K" 0402_CC 3896.05,6887.42 r180 top
R917 "10K" 0402_CC 708.72,6751.15 r270 top
R918 "10K" 0402_CC 338.76,6751.15 r270 top
R919 "10K" 0402_CC 277.1,6751.15 r90 top
R920 "100" 0402_CC 2583.34,6312.57 r270 top
R921 "0" 0402_CC 1695.28,6663.59 r270 top
R922 "0" 0402_CC 1633.62,6663.59 r270 top
R923 "0" 0402_CC 306.09,6887.42 r0 top
R924 "4.7K" 0402_CC 6725.95,1088.53 r90 top
R925 "1.5K" 0402_CC 8331.79,988.53 r90 top
R926 "10K" 0402_CC 8393.45,988.53 r90 top
R927 "0" 0402_CC 9749.97,988.53 r90 top
R928 "0" 0402_CC 8985.88,1163.14 r180 top
R929 "100K" 0402_CC 6664.29,1088.53 r270 top
R930 "120K" RC0402_25 9606.67,870.63 r270 top
R1001 "0" 0805_CC 7187.35,993.3 r0 top
R1003 "0" 0402_CC 218.53,6887.42 r0 top
R1004 "0" 0402_CC 393.65,6949.08 r180 top
R1005 "0" 0402_CC 2227.41,6738.2 r0 top
R1006 "0" 0402_CC 3015.45,6738.2 r0 top
R1009 "0" 0402_CC 1969.73,6825.76 r0 top
R1010 "0" 0402_CC 1882.17,6825.76 r0 top
R1011 "0" 0402_CC 2057.29,6825.76 r0 top
R1012 "0" 0402_CC 2232.41,6825.76 r0 top
R1013 "0" 0402_CC 2144.85,6825.76 r0 top
R1014 "0" 0402_CC 1794.61,6825.76 r180 top
R1015 "0" 0402_CC 1444.37,6825.76 r180 top
R1016 "0" 0402_CC 1356.81,6825.76 r180 top
R1017 "0" 0402_CC 1531.93,6825.76 r0 top
R1018 "0" 0402_CC 1707.05,6825.76 r0 top
R1019 "0" 0402_CC 8723.2,1163.14 r0 top
R1020 "0" 0402_CC 8460.52,1163.14 r0 top
R1021 "0" 0402_CC 8197.84,1163.14 r0 top
R1022 "0" 0402_CC 8285.4,1163.14 r0 top
R1023 "0" 0402_CC 8372.96,1163.14 r0 top
R1024 "0" 0402_CC 7409.8,1163.14 r0 top
R1025 "0" 0402_CC 6446.64,1163.14 r0 top
R1026 "0" 0402_CC 6359.08,1163.14 r0 top
R1027 "0" 0402_CC 6359.08,1224.8 r0 top
R1028 "0" 0402_CC 7322.24,1224.8 r0 top
R1029 "22K" 0402_CC 10036.6,1163.14 r180 top
R1030 "47" 0402_CC 6417.65,1088.53 r90 top
R1031 "10K" 0402_CC 9073.44,1163.14 r180 top
R1032 "1K" 0402_CC 6294.33,1088.53 r90 top
R1033 "10K" 0402_CC 6355.99,1088.53 r90 top
R1034 "0" 0805_CC 10099.49,709.1 r90 top
R1101 "4.7K" 0402_CC 831.45,6825.76 r0 top
R1102 "100K" 0402_CC 2932.89,6825.76 r180 top
R1103 "4.7K" 0402_CC 1006.57,6825.76 r0 top
R1104 "100K" 0402_CC 2407.53,6825.76 r180 top
R1105 "4.7K" 0402_CC 1181.69,6825.76 r0 top
R1106 "100K" 0402_CC 2582.65,6825.76 r180 top
R1107 "4.7K" 0402_CC 1094.13,6825.76 r0 top
R1108 "100K" 0402_CC 3283.13,6825.76 r180 top
R1109 "4.7K" 0402_CC 743.89,6825.76 r0 top
R1110 "100K" 0402_CC 3195.57,6825.76 r180 top
R1111 "4.7K" 0402_CC 393.65,6825.76 r0 top
R1112 "100K" 0402_CC 2845.33,6825.76 r180 top
R1113 "4.7K" 0402_CC 306.09,6825.76 r0 top
R1114 "100K" 0402_CC 2495.09,6825.76 r180 top
R1115 "4.7K" 0402_CC 481.21,6825.76 r0 top
R1116 "100K" 0402_CC 2670.21,6825.76 r180 top
R1117 "4.7K" 0402_CC 656.33,6825.76 r0 top
R1118 "100K" 0402_CC 3365.69,6738.2 r180 top
R1119 "4.7K" 0402_CC 568.77,6825.76 r0 top
R1120 "100K" 0402_CC 2757.77,6825.76 r180 top
R1121 "4.7K" 0402_CC 7847.6,1163.14 r0 top
R1122 "100K" 0402_CC 3715.93,6738.2 r180 top
R1123 "4.7K" 0402_CC 7935.16,1163.14 r0 top
R1124 "100K" 0402_CC 1269.25,6825.76 r180 top
R1125 "4.7K" 0402_CC 8022.72,1163.14 r0 top
R1126 "100K" 0402_CC 3978.61,6738.2 r180 top
R1127 "4.7K" 0402_CC 7760.04,1163.14 r0 top
R1128 "100K" 0402_CC 3891.05,6738.2 r180 top
R1129 "4.7K" 0402_CC 7497.36,1163.14 r0 top
R1130 "100K" 0402_CC 4066.17,6738.2 r180 top
R1131 "4.7K" 0402_CC 7584.92,1163.14 r0 top
R1132 "100K" 0402_CC 130.97,6825.76 r180 top
R1133 "4.7K" 0402_CC 7672.48,1163.14 r0 top
R1134 "100K" 0402_CC 43.41,6825.76 r180 top
R1135 "4.7K" 0402_CC 8110.28,1163.14 r0 top
R1136 "100K" 0402_CC 8548.08,1163.14 r180 top
R1137 "4.7K" 0402_CC 10124.16,1163.14 r0 top
R1138 "4.7K" 0402_CC 9686.36,1163.14 r0 top
R1139 "100K" 0402_CC 9598.8,1163.14 r180 top
R1140 "100K" 0402_CC 9861.48,1163.14 r180 top
SW101 "M096H-A020RT21A" SW6_DPDT_M096H_TH 3275.77,4157.78 r0 top locked
SW901 "TACT SWTICH" SW2_3P4_TACT_SM_NSP 2113.63,4177.79 r180 top locked
SW902 "TACT SWTICH" SW2_3P4_TACT_SM_NSP 2387.53,4177.79 r180 top locked
SW1101 "97C10ST" SW_DIP10_SM 2824.63,1873.79 r270 top locked
SW1102 "97C10ST" SW_DIP10_SM 2503.63,1873.79 r270 top locked
TP1201 "TESTLOOP" TEST_PIN_TP107 240,3452 r180 top
TP1202 "TESTLOOP" TEST_PIN_TP107 1548,1228 r180 top
TP1203 "TESTLOOP" TEST_PIN_TP107 3312,3428 r90 bottom
TVS303 "ESD5B5.0ST1G" DIODE2_SOD523 8949.59,873.59 r270 top
TVS304 "ESD5B5.0ST1G" DIODE2_SOD523 9390.47,873.59 r270 top
TVS307 "ESD5B5.0ST1G" DIODE2_SOD523 9316.99,873.59 r270 top
TVS308 "ESD5B5.0ST1G" DIODE2_SOD523 9537.43,873.59 r270 top
TVS401 "ESD5B5.0ST1G" DIODE2_SOD523 9463.95,873.59 r270 top
TVS402 "ESD5B5.0ST1G" DIODE2_SOD523 9096.55,873.59 r270 top
TVS701 "ESD5B5.0ST1G" DIODE2_SOD523 9023.07,873.59 r90 top
TVS702 "ESD5B5.0ST1G" DIODE2_SOD523 9243.51,873.59 r90 top
TVS901 "ESD5B5.0ST1G" DIODE2_SOD523 9170.03,873.59 r270 top
U101 "MP8759GD" QFN12_0P5_3P1X2P1 2029.8,6340.06 r180 top
U102 "MP2147GD" QFN12_0P5_2X3MM_EP 9676.3,516.8 r0 top
U201 "PCA6416APW" TSSOP24_0P65_7P9X4P5 151.88,6444.3 r0 top
U202 "74AVC8T245PW" TSSOP24_65MM 8476.72,186.79 r180 top
U203 "NTS0104PW" TSSOP14 9307.4,165.29 r270 top
U204 "74AUP1G125GW" SC70-5 7299.42,724.29 r0 top
U301 "SGM8709YN5G" SOT-23-5 1542.71,6349.79 r0 top
U302 "NX20P3483UK" WLCSP42_0P4_2P94X2P54_SMDP 7433.02,723.66 r180 top
U303 "PTN5110" HX2QFN16_0P4_2P7X2P7 1209.08,6354 r0 top
U304 "SGM8709YN5G" SOT-23-5 1858.71,6349.79 r0 top
U305 "NX20P3483UK" WLCSP42_0P4_2P94X2P54_SMDP 7573.02,723.66 r0 top
U306 "PTN5110" HX2QFN16_0P4_2P7X2P7 1379.5,6354 r0 top
U307 "PCMF1USB3S" WLCSP5_0P4_0P82X1P22 7833.2,988.77 r180 top
U308 "NX20P0407" WLCSP12_0P4_1P3X1P7MM_SMDP 7306.12,992.34 r90 top
U309 "PCMF1USB3S" WLCSP5_0P4_0P82X1P22 7760.92,988.77 r180 top
U310 "NX20P0407" WLCSP12_0P4_1P3X1P7MM_SMDP 7417.04,992.34 r90 top
U311 "SGM8709YN5G" SOT-23-5 1702.71,6349.79 r180 top
U312 "TPS70933DBVR" SOT23-5 7309.7,523.89 r0 top
U401 "WM8524CGEDT" TSSOP16 761.41,6389.29 r180 top
U501 "AR8031" QFN48_0P4_6X6MM_EPAD 452.75,6417.49 r0 top
U502 "NC7WV16" SC70_6LEAD 8415.59,876.63 r90 top
U503 "NC7WV16" SC70_6LEAD 8029.07,876.63 r90 top
U504 "NC7WV16" SC70_6LEAD 8544.43,876.63 r90 top
U505 "NC7WV16" SC70_6LEAD 8286.75,876.63 r90 top
U506 "NC7WV16" SC70_6LEAD 7900.23,876.63 r90 top
U507 "NC7WV16" SC70_6LEAD 8157.91,876.63 r90 top
U508 "NTS0102" TSSOP8_A 6222.68,548.94 r90 top
U601 "9FGV0241AKLF" QFN24_0P5_4X4_EP2P2 1022.64,6370.02 r0 top
U701 "IRM-V538M3/TR1" RCVR_SM_IRM_V5 2799.08,4172.91 r0 top locked
U702 "ADP191ACBZ-R7" WLCSP4_0P4_0P8X0P8_SMDP 9511.85,1080.5 r0 top
U901 "FT2232D" LQFP48 7500.26,214.29 r90 top
U902 "PCMF1USB3S" WLCSP5_0P4_0P82X1P22 7688.64,988.77 r180 top
U903 "RT9193" SOT23-5 7145.7,523.89 r0 top
U904 "NTB0104BQ" DHVQFN14_3X2P5MM 9826.91,515.12 r90 top
X901 "6MHz" XTAL_4_7P2X5P2 8754.04,186.31 r270 top
Y501 "25MHz" XTLOSC4_2P5X2MM_SM 8836.85,873.63 r180 top
Y601 "25MHz" XTLOSC4_2P5X2MM_SM 8684.85,873.63 r180 top

## Footprints (in the part's own frame and the unit in brackets; to place one, negate y for a bottom-side part, rotate by r counter-clockwise, add the part's x,y. Pads: shape width x height; smd on the part's side, far side on the other; paste and mask are expansions set on the pad)
0402_CC [mil] "0402_CC"
  rect 18x20 smd: 1(-14.76,0) 2(14.76,0)
  TOP keep-out region: -5.75,10 -5.75,-10 5.75,-10 5.75,10
  TOP keep-out region: -5.75,10 -5.75,-10 5.75,-10 5.75,10
  silkscreen extent -21,-18 21,18, body extent -20,-10 20,10, height 16
0603_CC [mil] "0603_CC"
  rect 28x33 smd: 1(-25.59,0) 2(25.59,0)
  silkscreen extent -40,-25 40,25, body extent -31,-16 31,16, height 22
0805_CC [mil] "0805_CC"
  rect 37x53 smd: 1(-30.71,0) 2(30.71,0)
  silkscreen extent -50,-36 50,36, body extent -39,-24 39,24, height 20
1206_CC [mil] "1206_CC"
  rect 37x67 smd: 1(-55.12,0) 2(55.12,0)
  silkscreen extent -74,-42 74,42, body extent -61,-30 61,30, height 28
1210_CC [mil] "1210_CC"
  rect 37x102 smd: 1(-55.12,0) 2(55.12,0)
  silkscreen extent -74,-60 74,60, body extent -63,-49 63,49, height 24
C197X364 [mil] "C197X364"
  round 0 hole 197 slot 364 at 0 deg unplated: ""(-465.6,-465.6) ""(465.6,-465.6)
  round 0 hole 197 slot 364 at 90 deg unplated: ""(0,-931.2) ""(0,0)
CASE_D_AL [mil] "CASE_D_AL"
  rect 140x62 smd: 1(-104,0) 2(104,0)
  silkscreen extent -141,-141 141,141, body extent -138,-130 138,130, height 213
CC0603_OV [mil] "CC0603_OV"
  oval 35x45 smd: 1(-30,0) 2(30,0)
  TOP keep-out region: -10,20 10,20 10,-20 -10,-20
  silkscreen extent -5,-25 5,25, body extent -31,-16 31,16, height 22
CC1210 [mil] "CC1210"
  rect 70x112 smd: 1(-55,0) 2(55,0)
  silkscreen extent -97,-63 97,63, body extent -63,-49 63,49, height 47
CC3528-21 [mil] "CC3528-21"
  rect 75x90 smd: 1(-67.5,0) 2(67.5,0)
  silkscreen extent -80,-66 80,66, body extent -73,-58 73,58, height 80